# KiCad board STE25.kicad_pcb (continued)
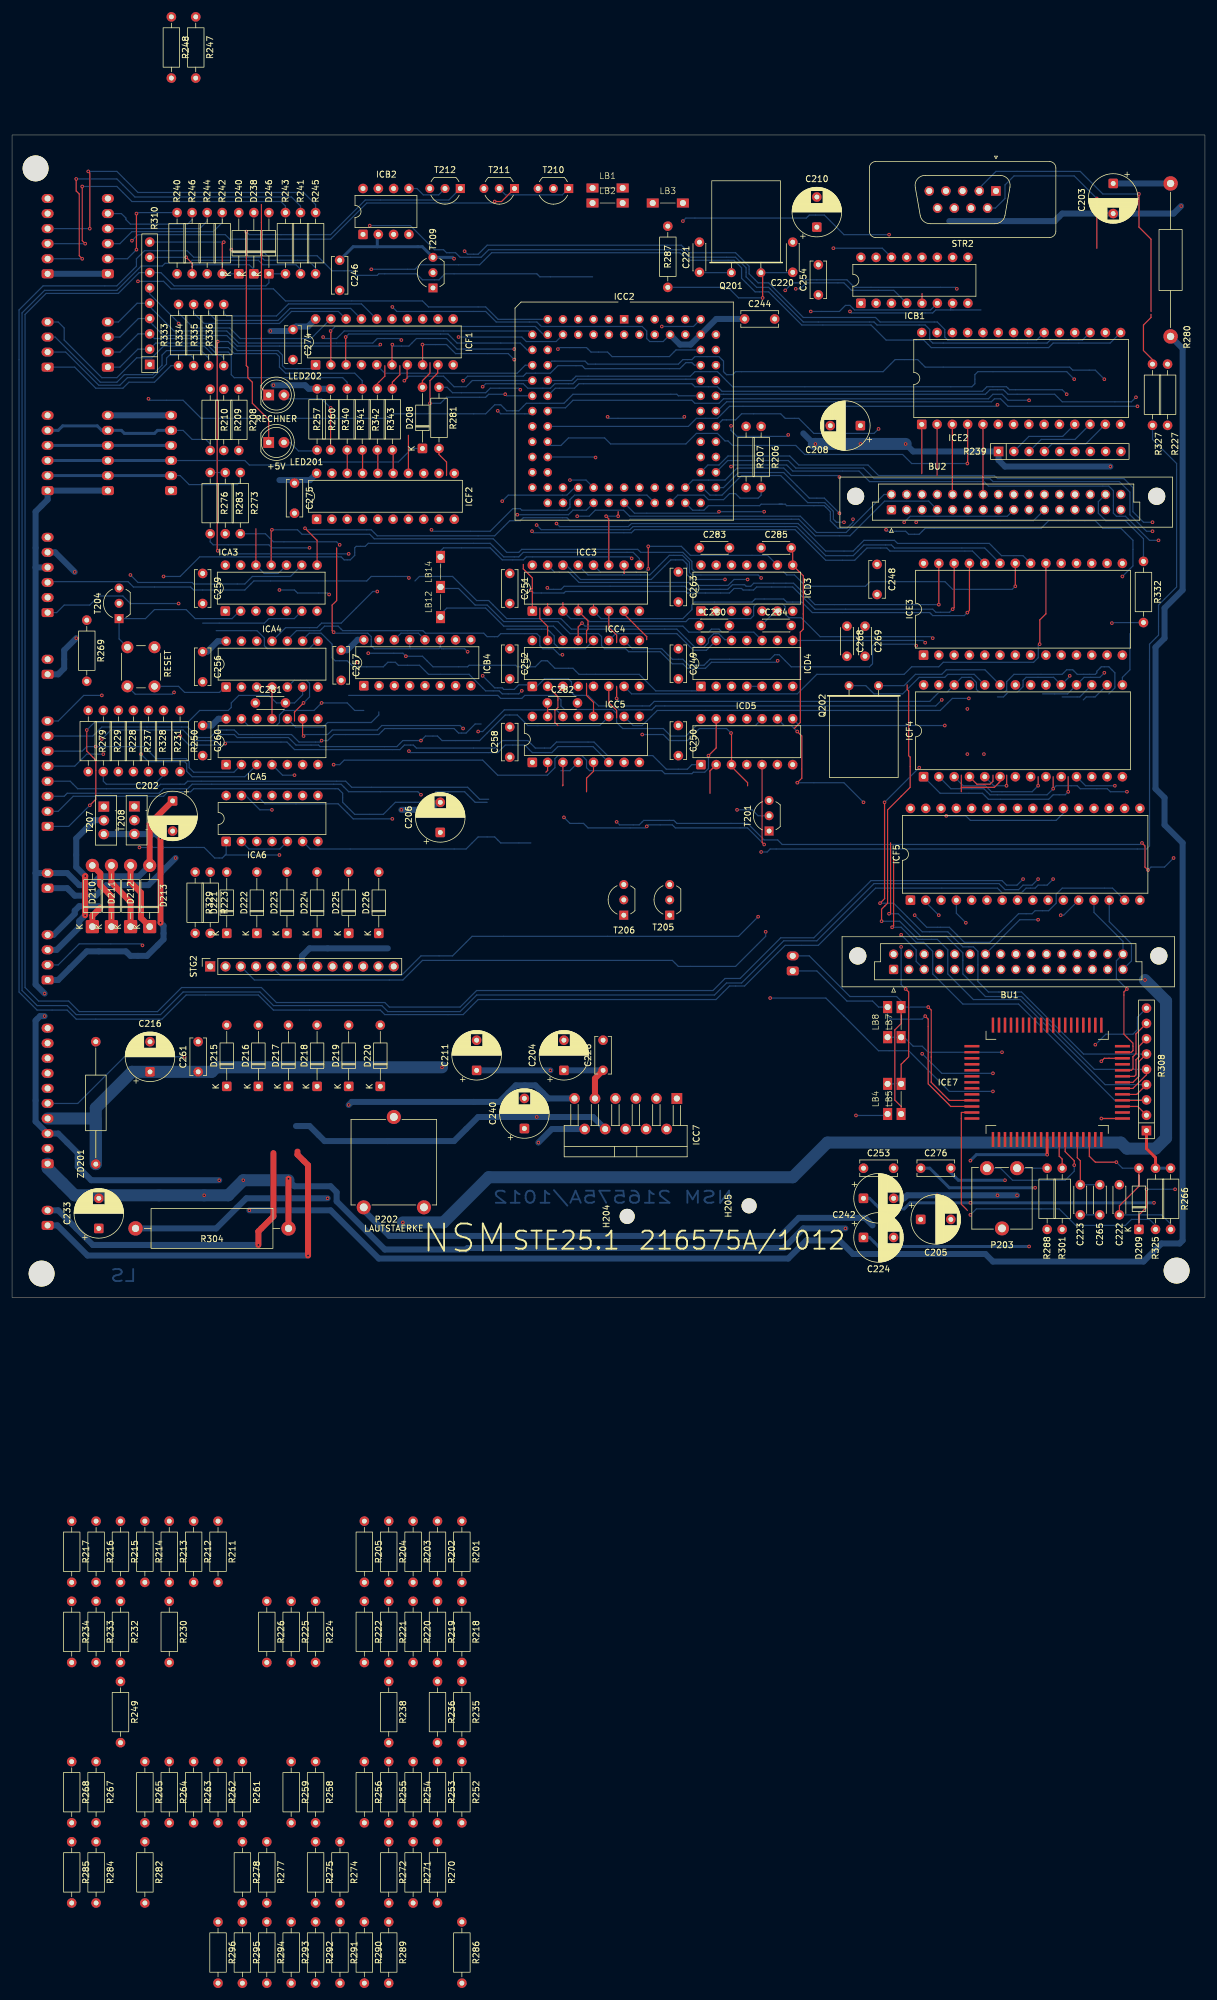
[diagram p0: board, top side]
## Routing (per net, layer and track width the routed paths; a pad name or vN(x,y) marks a point on that pad's centre or on a via; arc(x,y) is an arc through that point) (continued)
  Bottom w0.2: R246.2 29.91,171.24 30.16,171.49 39.41,171.49 40.16,170.74 D238.1 ; R310.8 28.89,172.72 v1(28.91,172.74)
Net-(ICA3-Pad10): length 75.2
  Top w0.2: ICA3.12 40.5,127.65
  Bottom w0.2: v1(36.41,173.99) 36.91,173.49 41.91,173.49 42.41,172.99 50.66,172.99 53.16,170.49 56.41,170.49 57.16,169.74 60.66,169.74 60.91,169.99 67.16,169.99 68.16,168.99 70.91,168.99 71.91,169.99 87.16,169.99 87.66,169.49 96.41,169.49 ; ICA3.12 41.87,120.24 44.21,120.24 ICA3.10
Net-(ICA4-Pad1): length 12.8
  Bottom w0.2: 35.56,101.6 34.45,100.49 28.66,100.49 27.66,101.49 SW201.2
Net-(ICA4-Pad4): length 5.3
  Top w0.2: ICA4.4 ICA5.11
Net-(ICA5-Pad1): length 92
  Bottom w0.2: v1(27.91,93.24) 29.41,91.74 35.16,91.74 v1(35.41,91.99) 35.66,92.24 45.66,92.24 46.91,90.99 64.41,90.99 65.16,91.74 66.66,91.74 67.16,91.24 80.16,91.24 81.41,92.49 85.66,92.49 86.91,91.24 89.41,91.24 90.41,92.24 96.66,92.24 98.91,89.99 106.41,89.99 108.66,87.74 112.16,87.74 112.91,88.49 ICD5.1
Net-(ICB1B-Q): length 69.8
  Top w0.2: LED202.1 41.41,151.07 41.41,181.49 ; ICB1.5 151.13,166.71
  Bottom w0.2: v1(111.41,178.74) 111.91,179.24 131.91,179.24 132.41,179.74 134.91,179.74 138.16,176.49 v1(145.66,176.49)
Net-(ICB2-~{RESET}): length 6.9
  Bottom w0.2: ICB2.5 67.25,184.15 68.3,183.1 70.86,183.1 T212.2
Net-(ICB2-~{RESIN}): length 22.9
  Bottom w0.5: v1(73.41,172.49) 73.18,172.72 T209.3 68.14,174.49 60.66,174.49 ; 60.66,174.49 56.66,174.49 C246.1 ; 60.66,174.49 60.66,176.36 ICB2.2
Net-(ICC2-IC-Pad49): length 18.2
  Bottom w0.2: ICC2.49 110.57,133.24 114.91,133.24 115.66,132.49 118.16,132.49 119.16,133.49 120.16,133.49 120.91,132.74 123.91,132.74 124.41,133.24 R206.2
Net-(ICC2-P06): length 70.7
  Bottom w0.2: v1(20.91,168.74) 25.16,168.74 26.41,167.49 43.41,167.49 45.41,165.49 68.16,165.49 69.16,164.49 78.66,164.49 80.72,162.43 ICC2.11
Net-(ICC2-X1): length 26.1
  Top w0.2: Q201.1 124.66,169.88 v1(124.66,165.99)
  Bottom w0.2: v1(124.66,165.99) 120.66,165.99 118.91,167.74 R287.2 ; Q201.1 129.59,170.18 C220.1
Net-(ICC2-X2): length 5.3
  Bottom w0.2: Q201.2 114.22,170.18 C221.1
Net-(ICC3-~{Y0}): length 35
  Bottom w0.2: v1(122.16,119.24) 119.91,119.24 118.91,118.24 112.91,118.24 112.41,118.74 94.16,118.74 92.41,120.49 90.07,120.49 ICC3.15
Net-(ICC3-~{Y1}): length 31.6
  Bottom w0.2: ICC3.14 92.04,121.61 94.41,119.24 106.16,119.24 109.41,122.49 111.41,122.49 112.11,121.79 112.11,120.04 112.91,119.24 v1(118.41,119.24)
Net-(ICC3-~{Y2}): length 34.9
  Bottom w0.2: v1(124.41,119.49) 123.91,119.99 112.91,119.99 112.51,120.39 112.51,122.07 111.34,123.24 109.16,123.24 105.91,119.99 95.65,119.99 ICC3.13
Net-(ICC3-~{Y3}): length 36.3
  Top w0.2: v1(105.66,120.99) v1(105.66,124.74)
  Bottom w0.2: v1(105.66,124.74) 111.16,124.74 112.66,123.24 125.48,123.24 ICD3.9 ; ICC3.12 97.69,120.49 105.16,120.49 v1(105.66,120.99)
Net-(ICC4-O1): length 23.5
  Bottom w0.2: 71.16,113.45 72.2,114.49 78.66,114.49 81.66,111.49 89.91,111.49 91.49,109.91 ICC4.14
Net-(ICC4-O2): length 34.7
  Top w0.2: ICC4.13 94.03,111.36 v1(94.66,111.99)
  Bottom w0.2: v1(94.66,111.99) 95.16,111.49 111.41,111.49 112.41,110.49 115.66,110.49 116.16,110.99 117.41,110.99 117.91,110.49 123.19,110.49 ICD4.10
Net-(ICC4-O3): length 76.6
  Bottom w0.2: 82.16,110.99 88.91,110.99 90.05,109.85 90.05,108.6 90.91,107.74 95.2,107.74 ICC4.12 ; 66.91,118.99 67.66,119.74 73.16,119.74 77.16,115.74 79.16,115.74 82.16,112.74 91.16,112.74 92.91,110.99 110.41,110.99 113.41,107.99 114.91,107.99 115.66,108.74 115.66,109.38 116.52,110.24 117.38,110.24 118.38,109.24 119.36,109.24 ICD4.12
Net-(ICC4-O4): length 20.1
  Bottom w0.2: ICD4.13 115.33,107.49 113.16,107.49 110.41,110.24 100.24,110.24 ICC4.11
Net-(ICC5-Pad2): length 50.7
  Top w0.2: ICC5.2 88.95,87.53 88.66,87.24 ; ICD5.5 124.57,75.58 v1(124.91,75.24)
  Bottom w0.2: v1(124.91,75.24) 122.16,77.99 110.16,77.99 109.66,78.49 105.66,78.49 v1(105.41,78.24) 105.16,77.99 95.66,77.99 94.91,78.74 92.66,78.74 v1(91.66,79.74)
Net-(ICC7C-V+): length 11.7
  Top w1: ICC7.9 96.81,36.39 C228.1
  Bottom w1: C228.1 C204.1
Net-(ICD4-Pad4): length 2.5
  Bottom w0.2: ICD4.4 ICD4.5
Net-(ICE7-OSC1): length 5
  Top w0.2: ICE7.12 173.91,23.49 174.41,22.99 R301.2
Net-(ICE7-OSC2): length 21.8
  Top w0.2: v1(176.41,21.99) 176.41,22.74 174.91,24.24 ICE7.13
  Bottom w0.2: v1(176.41,21.99) 176.41,20.99 174.91,19.49 166.16,19.49 164.16,21.49 P203.1
Net-(ICE7-OSC3): length 11
  Top w0.2: C223.2 177.41,22.74 176.91,23.24 ICE7.15
  Bottom w0.2: C265.2 C223.2
Net-(ICF1-OE): length 76.4
  Top w0.2: v1(34.16,158.74) 34.06,158.64 34.06,124.09 v1(34.16,123.99)
  Bottom w0.2: v1(34.16,158.74) 35.91,158.74 37.41,157.24 44.16,157.24 44.91,156.49 44.91,154.74 45.41,154.24 47.41,154.24 ; v1(34.16,123.99) 34.66,123.49 v1(55.91,123.49) ; 47.41,154.24 49.78,154.24 ICF1.1 ; 47.41,154.24 47.16,154.24
  vias: v1(57.41,105.49)
Net-(ICF1-Q0): length 29.8
  Bottom w0.2: R333.2 27.66,163.49 30.16,160.99 36.16,160.99 37.91,159.24 49.66,159.24 52.91,162.49 ICF1.19
Net-(ICF1-Q1): length 28.8
  Bottom w0.2: R334.2 30.16,163.49 31.91,161.74 44.41,161.74 46.41,163.74 54.2,163.74 55.45,162.49 ICF1.18
Net-(ICF1-Q2): length 28.9
  Bottom w0.2: R335.2 32.66,163.49 33.91,162.24 44.16,162.24 46.16,164.24 56.24,164.24 57.99,162.49 ICF1.17
Net-(ICF1-Q3): length 28.9
  Bottom w0.2: ICF1.16 60.53,162.49 58.03,164.99 45.91,164.99 43.91,162.99 35.66,162.99 35.16,163.49 R336.2
Net-(ICF2-B0): length 3.9
  Top w0.2: ICF2.18 55.67,140.73 R340.1
Net-(ICF2-B1): length 3.9
  Top w0.2: R341.1 58.21,140.69 ICF2.17
Net-(ICF2-B2): length 3.9
  Top w0.2: ICF2.16 60.75,140.65 R342.1
Net-(ICF2-B3): length 3.9
  Top w0.2: ICF2.15 63.29,140.61 R343.1
Net-(ICF4-X1/CLK): length 22.3
  Bottom w0.2: ICF4.23 161.58,104.24 155.16,104.24 154.41,103.49 150.03,103.49 148.15,101.61 Q202.2
Net-(ICF4-X2): length 25.2
  Bottom w0.2: ICF4.24 159.79,103.49 155.41,103.49 154.91,102.99 150.66,102.99 147.91,100.24 143.16,100.24 141.79,101.61 Q202.1
Net-(ICF5-VPP): length 26
  Top w0.2: v1(148.41,51.24) 148.91,50.74 148.91,39.99 147.66,38.74 LB5.2
  Bottom w0.2: LB4.2 LB5.2 ; v1(148.41,51.24) 147.66,51.99 v1(147.66,58.24)
Net-(LB12-B): length 63.9
  Bottom w0.2: v1(127.16,105.74) 126.91,105.49 116.16,105.49 115.16,104.49 112.16,104.49 111.41,105.24 109.66,105.24 107.66,107.24 102.41,107.24 101.91,107.74 98.41,107.74 97.91,108.24 97.91,109.74 97.41,110.24 92.66,110.24 90.66,112.24 81.66,112.24 78.91,114.99 76.91,114.99 74.16,117.74 71.16,117.74 71.16,118.74
Net-(LED201-A): length 6.1
  Bottom w0.2: LED201.2 46.16,141.99 47.57,140.58 50.66,140.58
Net-(LED201-K): length 75.5
  Top w0.2: v1(38.91,176.99) 38.91,154.74 39.16,154.49 39.16,152.74 39.91,151.99 39.91,148.49 42.62,145.78 LED201.1
  Bottom w0.2: v1(38.91,176.99) 39.41,176.49 52.91,176.49 58.66,182.24 72.54,182.24 T212.1
Net-(LED202-A): length 15.6
  Top w0.2: R260.2 v1(52.91,147.74)
  Bottom w0.2: LED202.2 45.78,149.24 51.41,149.24 v1(52.91,147.74)
Net-(P203-Pad3): length 5
  Bottom w0.2: P203.3 R288.1
Net-(R229-Pad2): length 13
  Bottom w0.2: R231.2 25.16,86.74 23.66,85.24 15.66,85.24 15.16,85.74 R229.2
Net-(R276-Pad1): length 2.5
  Bottom w0.2: R283.1 R276.1
Net-(R310-R1): length 47.1
  Bottom w0.2: R340.2 55.66,151.99 54.91,152.74 36.91,152.74 36.41,153.24 36.41,156.49 35.91,156.99 33.66,156.99 32.16,158.49 23.87,158.49 R310.2 20.9,157.48 17.91,154.49 STW2.1
Net-(R310-R2): length 49.1
  Bottom w0.2: R341.2 58.16,152.24 56.91,153.49 45.41,153.49 44.41,154.49 44.41,156.24 43.91,156.74 36.91,156.74 35.91,157.74 33.66,157.74 32.16,159.24 23.64,159.24 R310.3 20.94,160.02 17.91,156.99 STW2.2
Net-(R310-R3): length 53.2
  Top w0.2: 61.91,154.74 61.91,152.99 60.66,151.74 R342.2
  Bottom w0.2: STW2.3 17.91,159.49 20.98,162.56 R310.4 22.86,162.04 25.16,159.74 35.66,159.74 37.41,157.99 60.91,157.99 v1(61.16,158.24)
Net-(R310-R4): length 57.9
  Top w0.2: R343.2 63.16,151.99 64.41,153.24 64.41,154.74
  Bottom w0.2: STW2.4 17.66,161.99 20.77,165.1 R310.5 22.86,164.54 26.91,160.49 35.66,160.49 37.66,158.49 59.91,158.49 60.66,159.24 64.41,159.24 v1(64.66,158.99)
Net-(STT2-Pin_4): length 18.4
  Bottom w0.2: STT2.4 31.16,177.49 32.41,178.74 R244.1
Net-(STT2-Pin_5): length 16.3
  Bottom w0.2: STT2.5 18.16,179.99 18.91,179.24 18.91,178.99 19.66,178.24 29.16,178.24 29.91,178.99 R246.1
Net-(STV2-Pin_1): length 24.8
  Bottom w0.2: R333.1 26.41,154.74 23.66,151.99 19.41,151.99 18.41,150.99 13.91,150.99 10.41,154.49 STV2.1
Net-(STV2-Pin_2): length 30.6
  Bottom w0.2: R334.1 30.16,155.99 29.66,156.49 26.16,156.49 25.66,155.99 25.66,154.99 23.41,152.74 19.16,152.74 17.91,151.49 14.41,151.49 8.91,156.99 STV2.2
Net-(STV2-Pin_3): length 34.8
  Bottom w0.2: STV2.3 7.16,159.49 14.66,151.99 17.41,151.99 18.66,153.24 23.34,153.24 24.91,154.81 24.91,156.49 25.66,157.24 31.41,157.24 32.66,155.99 R335.1
Net-(STV2-Pin_4): length 38.5
  Bottom w0.2: R336.1 35.16,155.99 34.66,156.49 33.41,156.49 31.91,157.99 25.16,157.99 23.21,156.04 20.71,156.04 17.41,152.74 14.91,152.74 8.66,158.99 8.66,160.99 7.66,161.99 STV2.4
Net-(T204-C): length 35.9
  Bottom w0.2: v1(26.91,100.49) 26.61,100.19 20.46,100.19 SW201.1 ; 38.1,114.3 36.54,112.74 30.41,112.74 28.91,114.24 23.66,114.24 22.16,112.74 T204.1 17.78,109.37 SW201.1
Net-(T210-C): length 12.4
  Bottom w0.2: T210.1 91.4,183.1 81.96,183.1 T211.2
unconnected-(C206-Pad2): length 7
  Bottom w1: C206.2 70.66,82.24 69.41,80.99 v1(64.66,80.99)
unconnected-(C211-Pad1): length 12.2
  Bottom w1: C211.1 v1(89.41,37.74)
unconnected-(C224-Pad1): length 28.1
  Bottom w0.5: v1(168.91,8.49) 143.91,8.49 142.41,9.99 C224.1
unconnected-(C242-Pad1): length 49.4
  Bottom w0.5: v1(189.66,15.74) v1(159.16,15.74) 149.16,15.74 148.16,14.74 144.16,14.74 142.41,16.49 C242.1
unconnected-(C242-Pad2): length 20.7
  Bottom w1: C242.2 148.16,16.49 148.66,16.99 v1(153.66,16.99) v1(163.66,16.99) v1(166.91,16.99)
unconnected-(C276-Pad1): length 20.3
  Bottom w0.5: C276.1 152.41,21.49 155.66,18.24 v1(169.91,18.24)
unconnected-(C276-Pad2): length 10.3
  Bottom w0.5: v1(164.91,19.49) 157.16,19.49 155.91,20.74 C276.2
unconnected-(D208-A-Pad2): length 4.6
  Top w0.2: 69.41,155.24 69.41,153.49 68.16,152.24 D208.2
unconnected-(ICA3-Pad6): length 17.3
  Bottom w0.2: 31.66,111.99 41.91,111.99 42.66,112.74 46.87,112.74 ICA3.6
unconnected-(ICA3-Pad9): length 30.4
  Bottom w0.2: ICA3.9 46.25,119.74 39.91,119.74 38.66,118.49 30.16,118.49 29.91,118.74 20.91,118.74 v1(19.66,119.99)
unconnected-(ICA4-Pad5): length 11.6
  Top w0.2: v1(48.41,98.74) 46.91,97.24 46.91,95.74
  Bottom w0.2: v1(48.41,98.74) 49.41,99.74 49.41,101.99 48.91,102.49 46.84,102.49 ICA4.5
unconnected-(ICA4-Pad8): length 19.5
  Bottom w0.2: 50.8,109.22 49.32,107.74 42.41,107.74 41.91,108.24 41.91,109.51 40.68,110.74 33.91,110.74
unconnected-(ICA4-Pad9): length 43.2
  Bottom w0.2: 48.26,109.22 49.36,110.32 51.33,110.32 53.16,108.49 53.16,106.24 53.66,105.74 55.66,105.74 56.66,104.74 61.66,104.74 62.41,105.49 63.66,105.49 64.16,104.99 67.66,104.99 69.16,103.49 75.91,103.49 78.66,100.74 80.91,100.74 81.41,100.24 84.16,100.24 v1(84.66,100.74)
unconnected-(ICA4-Pad10): length 49.9
  Bottom w0.2: v1(91.41,106.74) 90.91,106.74 89.91,107.74 88.16,107.74 87.66,108.24 87.66,109.74 87.16,110.24 81.16,110.24 80.66,109.74 78.91,109.74 78.33,110.32 68.66,110.32 68.24,110.74 54.91,110.74 54.16,111.49 51.91,111.49 51.16,110.74 47.24,110.74 45.72,109.22
unconnected-(ICA4-Pad11): length 20.9
  Bottom w0.2: v1(60.66,117.24) 59.91,117.24 54.66,111.99 51.41,111.99 50.66,111.24 45.43,111.24 ICA4.11
unconnected-(ICA5-Pad3): length 22.8
  Bottom w0.2: 40.64,88.9 40.64,88.47 38.66,86.49 29.91,86.49 29.01,87.39 29.01,88.64 28.66,88.99 22.66,88.99 v1(21.41,90.24)
unconnected-(ICA5-Pad4): length 4.5
  Bottom w0.2: v1(46.91,86.74) 44.93,86.74 ICA5.4
unconnected-(ICA5-Pad9): length 30.4
  Top w0.2: ICA5.9 48.26,93.39 v1(48.41,93.24)
  Bottom w0.2: v1(48.41,93.24) 48.66,93.49 52.41,93.49 53.16,94.24 60.66,94.24 61.41,94.99 74.41,94.99 v1(74.91,94.49)
unconnected-(ICA5-Pad10): length 17.1
  Bottom w0.2: 60.91,97.24 60.91,96.74 59.66,95.49 52.41,95.49 51.66,94.74 47.09,94.74 ICA5.10
unconnected-(ICA5-Pad13): length 23.6
  Bottom w0.2: 58.41,97.49 56.91,97.49 55.66,98.74 v1(51.41,98.74) 50.16,97.49 45.16,97.49 44.41,96.74 44.41,95.49 43.91,94.99 39.22,94.99 ICA5.13
unconnected-(ICA6-Pad12): length 24.1
  Bottom w0.2: v1(63.16,79.49) 56.66,79.49 54.16,81.99 42.01,81.99 ICA6.12
unconnected-(ICA6-Pad13): length 6
  Bottom w0.2: v1(43.16,80.99) 41.16,80.99 38.79,83.36 ICA6.13
unconnected-(ICB1A-Cext-Pad14): length 10.3
  Bottom w0.2: ICB1.14 144.53,174.24 v1(136.41,174.24)
unconnected-(ICB1A-~{Q}-Pad4): length 20.2
  Bottom w0.2: v1(130.16,167.49) 130.91,167.49 131.91,168.49 138.16,168.49 139.41,167.24 146.45,167.24 ICB1.4
unconnected-(ICB1B-Cext-Pad6): length 22.2
  Bottom w0.2: v1(132.66,163.74) 137.41,163.74 138.41,164.74 139.16,164.74 139.91,163.99 152.56,163.99 ICB1.6
unconnected-(ICB1B-RCext-Pad7): length 23.3
  Bottom w0.2: 160.91,163.99 155.91,163.99 ; v1(139.16,163.74) 139.41,163.49 152.91,163.49 153.41,163.99 155.91,163.99 ; 155.91,163.99 155.91,164.8 ICB1.7
unconnected-(ICC2-IC-Pad75): length 6.9
  Bottom w0.2: ICC2.75 113.17,161.24 v1(107.91,161.24)
unconnected-(ICC2-P05-Pad10): length 18.1
  Bottom w0.2: ICC2.10 90.35,158.74 85.41,158.74 84.66,159.49 v1(74.16,159.49)
unconnected-(ICC2-P07/CLKOUT-Pad12): length 35.6
  Bottom w0.2: ICC2.12 85.82,160.49 55.16,160.49 53.91,159.24 51.91,159.24 v1(51.66,159.49)
unconnected-(ICC2-P15/TOUT-Pad64): length 71.4
  Bottom w0.2: ICC2.64 117.13,147.19 118.68,148.74 162.66,148.74 163.16,149.24 164.16,149.24 165.41,147.99 v1(186.91,147.99)
unconnected-(ICC2-P17/READY-Pad66): length 71.3
  Bottom w0.2: v1(186.66,149.49) 185.91,148.74 174.41,148.74 173.16,149.99 165.41,149.99 164.66,150.74 162.41,150.74 161.66,149.99 117.16,149.99 ICC2.66
unconnected-(ICC2-PT0-Pad67): length 95.6
  Bottom w0.2: v1(22.66,149.24) 22.91,148.99 28.41,148.99 31.41,145.99 62.66,145.99 63.41,146.74 78.66,146.74 80.16,148.24 81.16,148.24 82.16,147.24 84.16,147.24 85.41,148.49 91.66,148.49 93.16,149.99 110.41,149.99 110.67,149.73 ICC2.67
unconnected-(ICC2-PT2-Pad69): length 37.4
  Bottom w0.2: ICC2.69 114.36,152.29 114.16,152.49 93.91,152.49 93.16,151.74 90.16,151.74 89.41,150.99 85.66,150.99 84.91,151.74 78.66,151.74 v1(78.16,151.24)
unconnected-(ICC2-PT4-Pad71): length 41.3
  Bottom w0.2: ICC2.71 113.34,154.81 112.91,155.24 111.91,155.24 110.91,154.24 95.16,154.24 94.66,154.74 90.66,154.74 89.41,153.49 85.41,153.49 84.91,152.99 75.66,152.99 v1(74.91,152.24)
unconnected-(ICC2-PT6-Pad73): length 24.9
  Bottom w0.2: ICC2.73 110.27,157.35 109.16,156.24 99.66,156.24 98.91,156.99 96.16,156.99 95.41,157.74 90.91,157.74 v1(90.66,157.49)
unconnected-(ICC2-~{CTS0}-Pad43): length 24.1
  Bottom w0.2: ICC2.43 103.37,130.24 117.16,130.24 v1(117.41,130.49) v1(124.91,130.49)
unconnected-(ICC3-E2-Pad6): length 5.8
  Top w0.2: ICC3.6 99.11,111.29 100.41,109.99 100.41,108.74
unconnected-(ICC4-E3-Pad6): length 5.8
  Top w0.2: ICC4.6 99.11,98.79 100.41,97.49 100.41,96.24
unconnected-(ICC5-Pad3): length 3.9
  Top w0.2: 91.41,84.99 91.49,85.07 ICC5.3
unconnected-(ICC5-Pad4): length 3.4
  Bottom w0.2: ICC5.4 92.65,87.49 91.16,87.49
unconnected-(ICC5-Pad5): length 5.4
  Top w0.2: 95.41,83.99 95.41,86.24 96.57,87.4 ICC5.5
unconnected-(ICC5-Pad6): length 35.8
  Bottom w0.2: v1(65.91,90.74) 66.16,90.49 80.66,90.49 81.91,91.74 85.16,91.74 86.41,90.49 89.66,90.49 90.66,91.49 96.49,91.49 ICC5.6
unconnected-(ICC5-Pad10): length 59.7
  Bottom w0.2: ICC5.10 103.15,94.99 104.66,94.99 107.16,97.49 154.16,97.49 156.16,99.49 v1(158.91,99.49)
unconnected-(ICC5-Pad11): length 91.2
  Bottom w0.2: 87.41,94.99 97.61,94.99 ICC5.11 ; 87.41,94.99 85.66,94.99 83.91,96.74 81.91,96.74 77.66,92.49 71.41,92.49 70.66,93.24 68.66,93.24 v1(67.91,92.49) 64.91,92.49 63.91,91.49 51.16,91.49 50.91,91.74 47.16,91.74 45.91,92.99 37.41,92.99 36.91,93.49 34.66,93.49 33.66,92.49 30.16,92.49 28.41,94.24 16.41,94.24 v1(14.91,92.74) ; 87.41,94.99 87.16,94.99
unconnected-(ICC5-Pad12): length 6
  Top w0.2: ICC5.12 96.57,98.83 95.41,99.99 95.41,101.99
unconnected-(ICC7-Pad8): length 54.9
  Bottom w1: 47.16,28.49 49.41,28.49 51.91,25.99 73.41,25.99 77.41,29.99 v1(87.16,29.99) 96.51,29.99 ICC7.8
unconnected-(ICC7-Pad10): length 8.6
  Bottom w1: v1(87.41,25.74) 89.66,27.99 ICC7.10
unconnected-(ICC7A-BOOT-Pad11): length 39.7
  Bottom w1: v1(55.91,31.99) 56.41,32.49 80.91,32.49 83.66,35.24 86.91,35.24 89.08,33.07 ICC7.11
unconnected-(ICD4-Pad1): length 59.2
  Bottom w0.2: v1(59.16,106.99) 64.91,106.99 v1(65.41,106.49) 68.16,106.49 69.91,104.74 75.66,104.74 75.91,104.99 83.66,104.99 83.91,104.74 86.91,104.74 87.91,105.74 88.91,105.74 90.16,104.49 93.16,104.49 94.16,103.49 104.16,103.49 106.91,100.74 113.66,100.74 ICD4.1
unconnected-(ICD5-Pad2): length 5.2
  Top w0.2: ICD5.2 115.91,87.45 115.91,83.74
unconnected-(ICD5-Pad8): length 25.7
  Bottom w0.2: v1(154.91,94.99) 130.77,94.99 ICD5.8
unconnected-(ICD5-Pad9): length 25.6
  Top w0.2: v1(130.41,93.99) 131.16,93.24 131.16,86.24 v1(130.41,85.49)
  Bottom w0.2: ICD5.9 128.23,94.99 129.41,94.99 v1(130.41,93.99) ; v1(141.41,82.24) 138.16,85.49 v1(130.41,85.49)
unconnected-(ICD5-Pad10): length 74.5
  Bottom w0.2: ICD5.10 123.45,94.99 113.66,94.99 111.91,93.24 109.41,93.24 108.16,94.49 101.41,94.49 100.41,95.49 100.41,96.99 99.76,97.64 91.76,97.64 91.16,98.24 91.16,99.24 90.41,99.99 85.16,99.99 84.66,99.49 81.16,99.49 80.66,99.99 55.91,99.99
unconnected-(ICE2-A12-Pad2): length 8.5
  Top w0.2: ICE2.2 153.63,136.52
unconnected-(ICE2-A14-Pad1): length 8.2
  Top w0.2: ICE2.1 151.09,136.81
unconnected-(ICE3-A14-Pad27): length 74.5
  Top w0.2: ICE3.27 v1(153.92,115.06)
  Bottom w0.2: v1(88.9,117.86) 89.15,117.6 91.19,117.6 91.69,118.11 111.76,118.11 112.27,117.6 118.87,117.6 119.63,118.36 121.67,118.36 121.92,118.11 122.68,118.11 123.19,118.62 129.79,118.62 133.35,115.06 v1(153.92,115.06)
unconnected-(ICE7-CPU/SW-Pad10): length 15.7
  Top w0.5: ICE7.10 v1(171.91,23.74)
  Bottom w0.5: v1(159.16,22.74) 160.16,23.74 v1(171.91,23.74)
unconnected-(ICE7-NAR-Pad20): length 3.5
  Top w0.2: ICE7.20 v1(180.91,29.74)
unconnected-(ICE7-~{2CH}-Pad63): length 18.4
  Top w0.2: ICE7.63 157.66,30.74 157.66,15.49 158.66,14.49
unconnected-(ICE7-~{CE}-Pad30): length 3.7
  Top w0.2: v1(180.91,39.24) 181.41,39.74 ICE7.30
unconnected-(ICF2-B4-Pad14): length 6.3
  Top w0.2: ICF2.14 65.83,143.16
unconnected-(ICF2-CE-Pad19): length 8.6
  Bottom w0.2: v1(52.66,116.74) 52.41,116.99 47.41,116.99 46.91,117.49 v1(44.41,117.49)
unconnected-(LB14-B-Pad2): length 35.8
  Bottom w0.2: v1(102.91,122.74) 102.66,122.99 85.41,122.99 84.91,122.49 81.41,122.49 79.41,124.49 71.66,124.49 71.16,123.99 71.16,121.28
unconnected-(P202-Pad3): length 88.5
  Bottom w1: P202.3 58.41,14.49 62.66,10.24 127.66,10.24 130.66,13.24 141.66,13.24 142.91,11.99
unconnected-(R276-Pad2): length 18.3
  Bottom w0.2: R276.2 32.91,125.49 33.41,124.99 42.66,124.99 43.16,124.49 v1(49.41,124.49)
unconnected-(R280-Pad2): length 317.1
  Bottom w1: v1(39.41,14.49) 52.91,14.49 60.91,6.49 128.91,6.49 131.91,9.49 137.41,9.49 139.66,7.24 161.66,7.24 162.91,5.99 187.91,5.99 190.91,8.99 193.91,8.99 194.41,9.49 194.41,75.49 191.41,78.49 191.41,82.99 189.91,84.49 189.91,107.99 191.41,109.49 191.41,114.49 194.41,117.49 194.41,157.59 R280.2
unconnected-(R281-Pad1): length 14.3
  Bottom w0.2: v1(84.41,150.74) 84.16,150.99 79.41,150.99 78.66,150.24 73.16,150.24 72.25,151.15 R281.1
unconnected-(R281-Pad2): length 5
  Top w0.2: R281.2 70.91,139.99 72.16,138.74 72.16,136.49
unconnected-(R304-Pad1): length 34
  Bottom w1: v1(52.41,16.49) 38.91,16.49 33.91,11.49 R304.1
unconnected-(R310-R5-Pad6): length 7.9
  Bottom w0.2: v1(27.66,161.74) 27.66,161.86 22.86,166.66 R310.6
unconnected-(R325-Pad1): length 33.8
  Bottom w0.2: v1(159.16,13.74) 160.16,14.74 173.91,14.74 176.66,11.99 184.91,11.99 185.91,12.99 188.91,12.99 189.91,11.99 R325.1
unconnected-(R332-Pad2): length 5.3
  Bottom w0.2: R332.2 182.75,112.08 v1(182.66,111.99)
unconnected-(STA2-Pin_5-Pad5): length 26
  Bottom w0.2: STA2.5 10.91,32.24 18.66,39.99 v1(28.66,39.99)
unconnected-(T201-B-Pad2): length 5.7
  Bottom w0.2: v1(120.41,80.99) 122.91,80.99 123.89,80.01 T201.2
unconnected-(T211-C-Pad1): length 67.7
  Top w0.2: T211.1 81.29,181.99 v1(80.16,181.99)
  Bottom w0.2: v1(19.91,175.49) 20.91,176.49 35.41,176.49 36.16,175.74 52.91,175.74 58.91,181.74 79.91,181.74 v1(80.16,181.99)

## Text on the board
Bottom: LS | NSM 216575A/1012
F.Silkscreen: STE25.1 | 216575A/1012 | NSM
